# Altium PCB PV Refridgerator v0.1.1.PCBDOC (part 2 of 2)
Units mil, origin at the board's own origin, x right, y up, seen from the top; angles counter-clockwise.
Board outline 6000 x 6000 mil, 2 copper layers (Top Layer, Bottom Layer); 137 components, 98 nets, 385 pads, 641 vias.
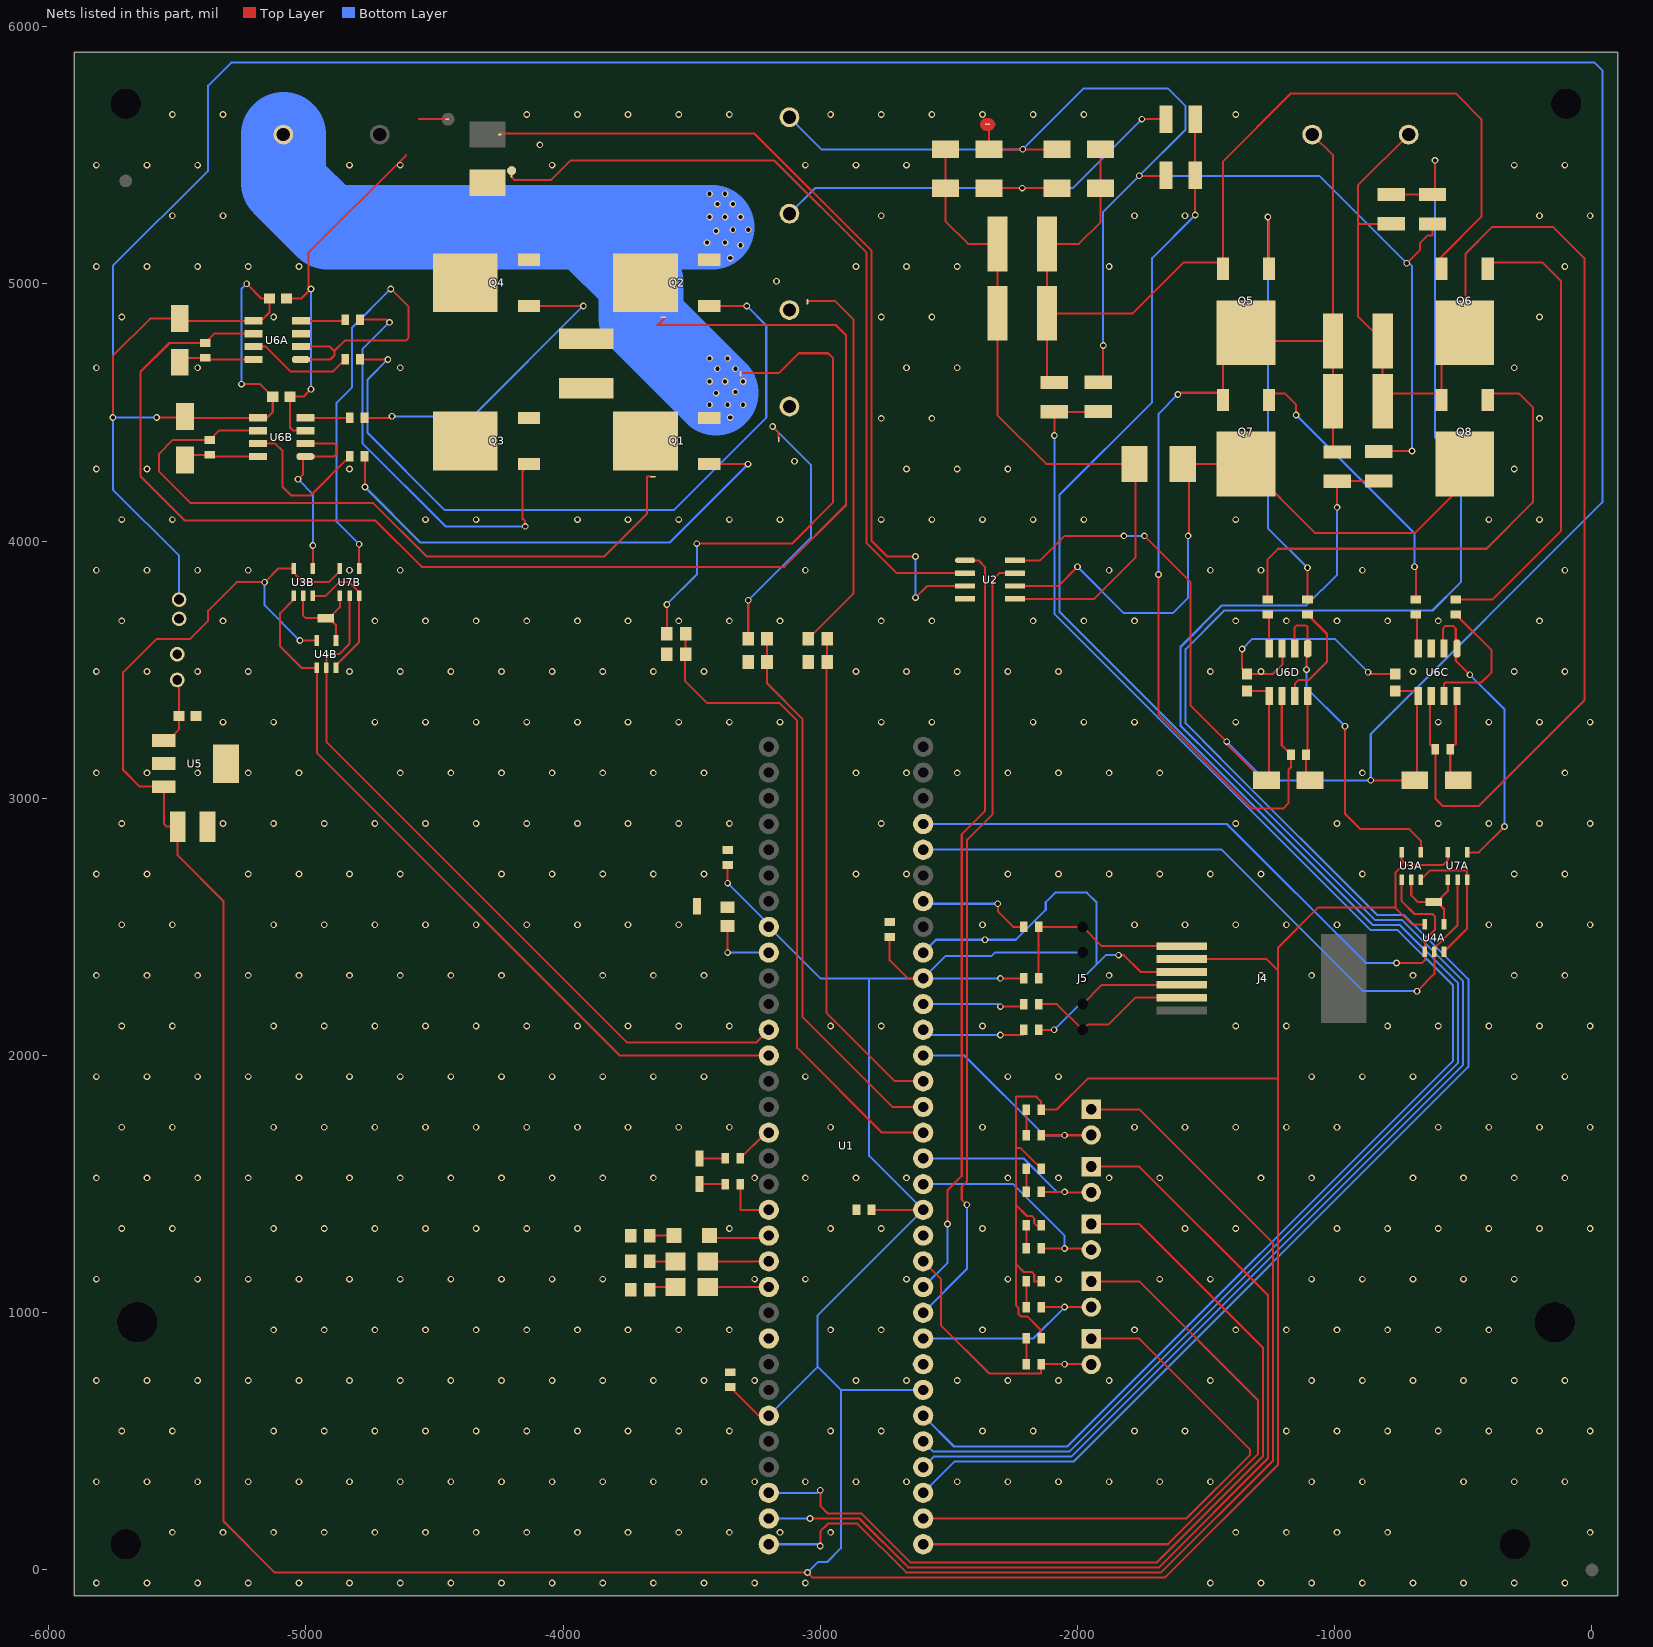
[diagram p2: the nets of this part, all layers, seen from the top]

## Via types
v1: diameter 26, hole 16, Top Layer to Bottom Layer, 641 vias

## Nets (pads, with @x,y where several pads share a name; then routed paths per layer and width w, separated by ;. In a path a pad name is that pad's centre, name@x,y a point inside that pad or via, vN(x,y) a via of type N, cw(c..) or ccw(c..) an arc to the next point about the centre after c; other vN are vias at no path point) (continued)
3.3VDC: C5.1 C6.1 C7.1 C8.1 C12.1 J4.5 J5.2 R4.1 R16A.2 R16B.2 R16C.2 R16D.2 R16E.2 U1.10 U1.19 U1.26 U1.38 U1.57 U3A.5 U3B.5 U4A.5 U4B.5 U5.3 U7A.5 U7B.5 | length 21350.3
  Top Layer w7.87: v1(-5023.15,3613.15) U4B.5@-4957.4,3613.15 ; U7B.5@-4867.4,3893.15 -4867.4,3882.6 -4910,3840 -5010,3840 -5047.4,3877.4 U3B.5@-5047.4,3893.15 -5106.85,3893.15 v1(-5160,3840) -5269.14,3840 -5379.36,3729.79 -5379.36,3690.64 -5450,3620 -5580,3620 -5710,3490 -5710,3110 -5645,3045 U5.3@-5552,3045 -5552,2902 -5540,2890 C12.1@-5498.07,2890 -5498.07,2778.07 -5320,2600 -5320,190 -5120,-10 v1(-3050,-10) -3030.94,-29.06 -1659.06,-29.06 -1220,410 -1220,1910 ; v1(-3360,2670) C8.1@-3360,2741 ; C6.1@-3350,711 -3239,600 U1.38@-3200,600 ; C5.1@-2801,1400 U1.19@-2600,1400 ; C7.1@-2730,2461 -2730,2370 -2660,2300 U1.10@-2600,2300 ; v1(-2300,2300) R4.1@-2208.97,2300 ; R16B.2@-2141.03,900 -2141.03,931.03 -2195.75,985.75 -2220.49,985.75 -2229.72,994.98 -2229.72,1019.72 -2240,1030 -2240,1190 ; R16A.2@-2141.03,1122 -2168.22,1122 -2168.22,1149.02 -2177.45,1158.25 -2208.25,1158.25 -2240,1190 ; R16C.2@-2141.03,1340 -2160,1340 -2168.22,1348.22 -2168.22,1367.02 -2177.45,1376.25 -2196.25,1376.25 -2240,1420 ; R16E.2@-2141.03,1560 -2221.03,1640 -2240,1640 ; J4.5@-1594.96,2375 -1265,2375 -1220,2330 ; U3A.5@-740,2790 -740,2760 ; U4A.5@-650,2510 -700,2510 -764.61,2574.61 ; U7A.5@-560,2790 -560,2760 -580,2740 -720,2740 -740,2760 ; -2240,1190 -2240,1420 ; -2240,1420 -2240,1640 ; -2240,1640 -2240,1840 -2160,1840 -2141.03,1821.03 R16D.2@-2141.03,1790 -2080,1790 -1960,1910 -1220,1910 ; -1220,1910 -1220,2330 ; -1220,2330 -1220,2420 -1065.39,2574.61 -764.61,2574.61 ; -764.61,2574.61 -764.61,2710.89 -740,2735.5 -740,2760
  Bottom Layer w7.87: v1(-5160,3840) -5160,3750 v1(-5023.15,3613.15) ; v1(-3360,2670) -3200,2510 U1.57@-3200,2500 -3000,2300 -2810,2300 ; U1.38@-3200,600 -3010,790 ; v1(-3050,-10) -3009.61,30.39 -2973.91,30.39 -2920,84.3 -2920,700 ; U1.26@-2600,700 -2920,700 ; v1(-2300,2300) U1.10@-2600,2300 ; J5.2@-1980,2400 -2320.92,2400 -2333.91,2387.01 -2512.99,2387.01 U1.10@-2600,2300 ; -3010,790 -3010,990 U1.19@-2600,1400 -2810,1610 -2810,2300 ; -3010,790 -2920,700 ; -2810,2300 U1.10@-2600,2300
15VDC: C13A.1 C13B.1 C13C.1 C13D.1 D8A.1 D8B.1 D8C.1 D8D.1 J12.1 U2.8 U6A.5 U6B.5 U6C.5 U6D.5 | length 16531.8
  Top Layer w7.87: v1(-5750,4480) -5750,4720 -5605.35,4864.65 D8A.1@-5490,4864.65 ; v1(-5580,4480) -5465.35,4480 -5464.35,4479 -5151,4479 -5128.46,4501.54 C13B.1@-5128.46,4561 -5177.46,4610 v1(-5250,4610) ; D8A.1@-5481.35,4856 -5174,4856 -5141.46,4888.54 C13A.1@-5141.46,4943 -5173,4943 v1(-5230,5000) ; U2.8@-2242.95,3925 -2145,3925 -2050,4020 v1(-1820,4020) ; v1(-1740,4020) -1560,3840 -1560,3360 v1(-1420,3220) -1420,3210 -1280,3070 D8D.1@-1265.65,3070 -1256,3079.65 -1256,3416.54 C13D.1@-1341,3416.54 ; v1(-860,3070) D8C.1@-689.29,3070 -679.65,3079.65 -679.65,3416.54 C13C.1@-764.65,3416.54
  Bottom Layer w7.87: v1(-5580,4480) v1(-5750,4480) ; J12.1@-5492.5,3772.5 -5492.5,3942.5 -5750,4200 v1(-5750,4480) ; v1(-5250,4610) -5250,4980 v1(-5230,5000) ; v1(-1820,4020) v1(-1740,4020) ; v1(-1420,3220) -1270,3070 v1(-860,3070) -860,3250 40,4150 40,5830 10,5860 -5290,5860 -5380,5770 -5380,5440 -5750,5070 v1(-5750,4480)
"+DC BUS": C9.2 C10.2 D1.2 D2.2 Q5.3 Q6.3 R14C.2 | length 4028.5
  Top Layer w7.87: R14C.2@-2090,4616.61 -2118.54,4616.61 C9.2@-2118.54,4885 ; D2.2@-1910.35,5523 D1.2@-1910.35,5372 -1910.35,5239.65 -1995,5155 C10.2@-2118.54,5155 C9.2@-2118.54,4885 ; Q6.3@-585,5083 -585,5105 -430,5260 -430,5640 -530,5740 -1170,5740 -1435,5475 -1435,5083 -1587,5083 -1785,4885 C9.2@-2118.54,4885
+VSOLAR: J3.1 NetTie7.2 Q1.3 Q2.3 | length 2766.3
  Bottom Layer w330: J3.1@-5087.4,5580 -5087.4,5392.4 -4915,5220 -3420,5220 ; -3900,5209.86 -3696.94,5006.81 -3696.94,4866.94 v1(-3405,4575)
  other v1: -3350,4480 -3430,4530 -3360,4530 -3300,4530 -3330,4580 -3430,4620 -3370,4620 -3300,4620 -3400,4670 -3330,4670 -3430,4710 -3360,4710 -3350,5100 -3310,5150 -3440,5160 -3370,5160 -3405,5205 -3340,5210 -3280,5210 -3430,5260 -3370,5260 -3310,5260 -3400,5310 -3340,5310 -3430,5350 -3370,5350
+VT1.P: C1.1 J7.2 NetTie1B.2 NetTie8.2 Q1.2 Q3.3
  other v1: -3100,4310
+VT1.S: D1.1 D3.2 J8.2 R14D.2 | length 1880.3
  Top Layer w7.87: D3.2@-2344.35,5372 v1(-2215,5372) D1.1@-2079.65,5372 ; v1(-1750,5640) R14D.2@-1656.61,5640
  Bottom Layer w7.87: J8.2@-3120,5272.6 -3020.6,5372 v1(-2215,5372) -2018,5372 v1(-1750,5640)
"-DC BUS": C9.1 C10.1 D3.1 D4.1 NetTie6.2 R3.1 | length 1802.2
  Top Layer w7.87: D4.1@-2513.65,5523 D3.1@-2513.65,5372 -2513.65,5243.65 -2425,5155 C10.1@-2311.46,5155 C9.1@-2311.46,4885 -2311.46,4489.48 -2121.98,4300 R3.1@-1775,4300 ; NetTie6.2@-1782,4300 R3.1@-1778.5,4300
-VT1.P: C1.2 J7.1 NetTie1A.2 NetTie9.2 Q2.2 Q4.3
  other v1: -3170,5010
A_HO: Q1.1 R12B.2 | length 1950.4
  Top Layer w7.87: R12B.2@-4771.57,4329 -4770,4327.43 v1(-4770,4210) ; Q1.1@-3407,4299 v1(-3281,4299)
  Bottom Layer w7.87: v1(-4770,4210) -4554.01,3994.01 -3585.99,3994.01 v1(-3281,4299)
A_LO: Q4.1 R13B.2 | length 1216.7
  Top Layer w7.87: R13B.2@-4771.57,4479 -4671,4479 v1(-4665,4485) ; Q4.1@-4107,4914 v1(-3921,4914)
  Bottom Layer w7.87: v1(-4665,4485) -4350,4485 v1(-3921,4914)
B_HO: Q2.1 R12A.2 | length 2837
  Top Layer w7.87: R12A.2@-4789.1,4706 v1(-4681,4706) ; Q2.1@-3407,4914 v1(-3286,4914)
  Bottom Layer w7.87: v1(-4681,4706) -4760.31,4626.69 -4760.31,4420.32 -4459.99,4119.99 -3570.01,4119.99 -3210,4480 -3210,4838 v1(-3286,4914)
B_LO: Q3.1 R13A.2 | length 1649.8
  Top Layer w7.87: R13A.2@-4789.1,4861 -4686,4861 v1(-4675,4850) ; v1(-4147,4057) -4147,4077 -4157.75,4087.75 -4157.75,4272.25 -4147,4283 Q3.1@-4147,4299
  Bottom Layer w7.87: v1(-4675,4850) -4780,4745 -4780,4380 -4457,4057 v1(-4147,4057)
C_HO: Q5.1 R12D.2 | length 1730.4
  Top Layer w7.87: v1(-1260,5260) -1255,5255 Q5.1@-1255,5083 ; R12D.2@-1106,3772.43 v1(-1106,3896)
  Bottom Layer w7.87: v1(-1260,5260) -1260,4050 v1(-1106,3896)
C_LO: Q8.1 R13D.2 | length 1846.1
  Top Layer w7.87: R13D.2@-1261,3772.43 -1261,3929 -1220,3970 -410,3970 -230,4150 -230,4520 -283,4573 Q8.1@-405,4573
C_VS: C2.1 C3.1 J6.1 NetTie1D.2 Q5.2 Q7.3 R14B.2 | length 1651.8
  Top Layer w7.87: Q7.3@-1435,4573 Q5.2@-1435,4720 ; Q5.2@-1260,4778 C3.1@-1006.46,4778 ; J6.1@-1087.4,5580 -1006.46,5499.06 C3.1@-1006.46,4778 ; R14B.2@-1006.46,4362.24 C2.1@-1006.46,4543 C3.1@-1006.46,4778
D_HO: Q6.1 R12C.2 | length 1805.7
  Top Layer w7.87: R12C.2@-529.65,3772.43 -387.57,3772.43 -120,4040 -120,5010 -193,5083 Q6.1@-405,5083
D_LO: Q7.1 R13C.2 | length 1073.1
  Top Layer w7.87: Q7.1@-1255,4573 -1193,4573 -1150,4530 v1(-1150,4490) ; v1(-690,3900) -684.65,3894.65 R13C.2@-684.65,3772.43
  Bottom Layer w7.87: v1(-1150,4490) -690,4030 v1(-690,3900)
D_VS: C2.2 C3.2 J6.2 NetTie1C.2 Q6.2 Q8.3 R14A.2 | length 1806.7
  Top Layer w7.87: R14A.2@-780,5233.39 -903.39,5233.39 -910,5240 ; J6.2@-712.6,5580 -910,5382.6 -910,5240 ; Q6.2@-495,4810 -585,4720 -585,4573 -783.54,4573 C2.2@-813.54,4543 C3.2@-813.54,4778 -910,4874.46 -910,5240
"DEBUG RX": R18.2 TP2.1 | length 101
  Top Layer w7.87: TP2.1@-3470,1500 R18.2@-3368.97,1500
"DEBUG TX": R19.2 TP3.1 | length 101
  Top Layer w7.87: TP3.1@-3470,1600 R19.2@-3368.97,1600
GND: C4.2 C5.2 C6.2 C7.2 C8.2 C11.2 C12.2 C13A.2 C13B.2 C13C.2 C13D.2 J4.4 J5.3 J9.1 J11.1 NetTie2.1 NetTie3.2@-2353.5,5620 R8.1 R9.1 R10.1 R20A.1 R20B.1 R20C.1 TP1.1 U1.9 U1.20 U1.25 U1.41 U2.4 U3A.3 U3B.3 U4A.3 U4B.3 U5.2 U6A.3 U6B.3 U6C.3 U6D.3 U7A.3 U7B.3 | length 5197.9
  Top Layer w7.87: C13A.2@-5074.54,4943 -5017,4943 -4990,4970 -4990,5120 -4610,5500 ; U6B.3@-5019,4429 -5049,4429 -5061.54,4441.54 C13B.2@-5061.54,4561 -5009,4561 v1(-4980,4590) ; U3B.3@-4972.6,3786.85 -4923.15,3786.85 -4870,3840 -4831.35,3840 -4792.6,3801.25 U7B.3@-4792.6,3786.85 -4792.6,3607.4 -4882.6,3517.4 U4B.3@-4882.6,3506.85 ; -4560,5640 NetTie2.1@-4450,5640 ; v1@-2362.99,2447.01 v1(-2360,2450) ; NetTie3.2@-2353.5,5620 -2320,5620 ; v1(-1840,2390) -1820,2390 -1755,2325 J4.4@-1594.96,2325 ; v1(-1360,3580) -1360,3502.46 C13D.2@-1341,3483.46 -1240,3483.46 -1203.74,3519.72 -1203.74,3580.87 U6D.3@-1205,3582.13 ; v1(-870,3490) -863.47,3483.47 C13C.2@-764.65,3483.47 ; U3A.3@-665.2,2683.7 -628.9,2720 -575.5,2720 -575.38,2720.12 -490.12,2720.12 -485.2,2715.2 U7A.3@-485.2,2683.7 -485.2,2493.7 U4A.3@-575.2,2403.7
  Bottom Layer w7.87: v1(-4980,4590) v1(-4980,4980) ; -2640,800 U1.25@-2600,800 ; U1.9@-2600,2400 -2550,2450 v1@-2362.99,2450 ; v1(-2360,2450) -2240,2450 -2123.51,2566.49 -2123.51,2596.61 -2086.61,2633.51 -1963.51,2633.51 -1926.75,2596.75 -1926.75,2353.25 ; J5.3@-1980,2300 -1926.75,2353.25 ; v1(-1840,2390) -1890,2390 -1926.75,2353.25 ; v1(-1360,3580) -1320,3620 -1000,3620 v1(-870,3490)
  other v1: -5814.09,-50.61 -5617.24,-50.61 -5420.39,-50.61 -5223.54,-50.61 -5026.69,-50.61 -4829.84,-50.61 -4632.99,-50.61 -4436.14,-50.61 -4239.29,-50.61 -4042.44,-50.61 -3845.59,-50.61 -3648.74,-50.61 -3451.89,-50.61 -3255.04,-50.61 -3058.19,-50.61 -1483.39,-50.61 -1286.54,-50.61 -1089.69,-50.61 -892.83,-50.61 -695.98,-50.61 -499.13,-50.61 -302.28,-50.61 -105.43,-50.61 -5518.82,146.24 -5321.97,146.24 -5125.12,146.24 -4928.27,146.24 -4731.42,146.24 -4534.57,146.24 -4337.72,146.24 -4140.87,146.24 -3944.02,146.24 -3747.17,146.24 -3550.32,146.24 -3353.46,146.24 -3156.61,146.24 -2959.76,146.24 -1384.96,146.24 -1188.11,146.24 -991.26,146.24 -794.41,146.24 -7.01,146.24 -5814.09,343.09 -5617.24,343.09 -5420.39,343.09 -5223.54,343.09 -5026.69,343.09 -4829.84,343.09 -4632.99,343.09 -4436.14,343.09 -4239.29,343.09 -4042.44,343.09 -3845.59,343.09 -3648.74,343.09 -3451.89,343.09 -3255.04,343.09 -3058.19,343.09 -2861.34,343.09 -2664.49,343.09 -2467.64,343.09 -2270.79,343.09 -2073.94,343.09 -1877.09,343.09 -1680.24,343.09 -1483.39,343.09 -1089.69,343.09 -892.83,343.09 -499.13,343.09 -302.28,343.09 -105.43,343.09 -5715.67,539.94 -5518.82,539.94 -5125.12,539.94 -4928.27,539.94 -4731.42,539.94 -4534.57,539.94 -4337.72,539.94 -4140.87,539.94 -3944.02,539.94 -3747.17,539.94 -3550.32,539.94 -3353.46,539.94 -2959.76,539.94 -2762.91,539.94 -2369.21,539.94 -2172.36,539.94 -1778.66,539.94 -1581.81,539.94 -1188.11,539.94 -991.26,539.94 -794.41,539.94 -597.56,539.94 -400.71,539.94 -203.86,539.94 -7.01,539.94 -5814.09,736.8 -5617.24,736.8 -5420.39,736.8 -5223.54,736.8 -5026.69,736.8 -4829.84,736.8 -4632.99,736.8 -4436.14,736.8 -4239.29,736.8 -4042.44,736.8 -3845.59,736.8 -3648.74,736.8 -3451.89,736.8 -3255.04,736.8 -2861.34,736.8 -2664.49,736.8 -2467.64,736.8 -2270.79,736.8 -2073.94,736.8 -1877.09,736.8 -1483.39,736.8 -1089.69,736.8 -892.83,736.8 -695.98,736.8 -499.13,736.8 -302.28,736.8 -105.43,736.8 -5125.12,933.65 -4928.27,933.65 -4731.42,933.65 -4534.57,933.65 -4337.72,933.65 -4140.87,933.65 -3944.02,933.65 -3747.17,933.65 -3550.32,933.65 -3353.46,933.65 -2959.76,933.65 -2762.91,933.65 -2369.21,933.65 -1778.66,933.65 -1384.96,933.65 -1188.11,933.65 -991.26,933.65 -794.41,933.65 -597.56,933.65 -400.71,933.65 -5814.09,1130.5 -5420.39,1130.5 -5223.54,1130.5 -5026.69,1130.5 -4829.84,1130.5 -4632.99,1130.5 -4436.14,1130.5 -4239.29,1130.5 -4042.44,1130.5 -3845.59,1130.5 -3255.04,1130.5 -3058.19,1130.5 -2664.49,1130.5 -2270.79,1130.5 -2073.94,1130.5 -1680.24,1130.5 -1483.39,1130.5 -1089.69,1130.5 -892.83,1130.5 -695.98,1130.5 -499.13,1130.5 -302.28,1130.5 -5715.67,1327.35 -5518.82,1327.35 -5125.12,1327.35 -4928.27,1327.35 -4731.42,1327.35 -4534.57,1327.35 -4337.72,1327.35 -4140.87,1327.35 -3944.02,1327.35 -3353.46,1327.35 -2959.76,1327.35 -2762.91,1327.35 -2369.21,1327.35 -1581.81,1327.35 -1384.96,1327.35 -991.26,1327.35 -794.41,1327.35 -597.56,1327.35 -400.71,1327.35 -203.86,1327.35 -7.01,1327.35 -5814.09,1524.2 -5617.24,1524.2 -5420.39,1524.2 -5223.54,1524.2 -5026.69,1524.2 -4829.84,1524.2 -4632.99,1524.2 -4436.14,1524.2 -4239.29,1524.2 -4042.44,1524.2 -3845.59,1524.2 -3648.74,1524.2 -3255.04,1524.2 -3058.19,1524.2 -2861.34,1524.2 -2664.49,1524.2 -2270.79,1524.2 -2073.94,1524.2 -1877.09,1524.2 -1680.24,1524.2 -1286.54,1524.2 -1089.69,1524.2 -695.98,1524.2 -499.13,1524.2 -302.28,1524.2 -105.43,1524.2 -5715.67,1721.05 -5518.82,1721.05 -5125.12,1721.05 -4928.27,1721.05 -4731.42,1721.05 -4534.57,1721.05 -4337.72,1721.05 -4140.87,1721.05 -3944.02,1721.05 -3747.17,1721.05 -3550.32,1721.05 -3353.46,1721.05 -2959.76,1721.05 -2369.21,1721.05 -1778.66,1721.05 -1581.81,1721.05 -1384.96,1721.05 -1188.11,1721.05 -991.26,1721.05 -597.56,1721.05 -400.71,1721.05 -203.86,1721.05 -7.01,1721.05 -5814.09,1917.9 -5617.24,1917.9 -5420.39,1917.9 -5223.54,1917.9 -5026.69,1917.9 -4829.84,1917.9 -4632.99,1917.9 -4436.14,1917.9 -4239.29,1917.9 -4042.44,1917.9 -3845.59,1917.9 -3648.74,1917.9 -3451.89,1917.9 -3058.19,1917.9 -2270.79,1917.9 -2073.94,1917.9 -1089.69,1917.9 -892.83,1917.9 -695.98,1917.9 -302.28,1917.9 -105.43,1917.9 -5715.67,2114.75 -5518.82,2114.75 -5125.12,2114.75 -4928.27,2114.75 -4731.42,2114.75 -4534.57,2114.75 -4337.72,2114.75 -4140.87,2114.75 -3944.02,2114.75 -3747.17,2114.75 -3550.32,2114.75 -3353.46,2114.75 -2959.76,2114.75 -2762.91,2114.75 -2369.21,2114.75 -1384.96,2114.75 -1188.11,2114.75 -794.41,2114.75 -597.56,2114.75 -400.71,2114.75 -203.86,2114.75 -7.01,2114.75 -5814.09,2311.6 -5617.24,2311.6 -5420.39,2311.6 -5223.54,2311.6 -5026.69,2311.6 -4829.84,2311.6 -4632.99,2311.6 -4436.14,2311.6 -4239.29,2311.6 -3845.59,2311.6 -3648.74,2311.6 -3451.89,2311.6 -1877.09,2311.6 -1286.54,2311.6 -1089.69,2311.6 -695.98,2311.6 -302.28,2311.6 -105.43,2311.6 -5715.67,2508.45 -5518.82,2508.45 -5125.12,2508.45 -4928.27,2508.45 -4731.42,2508.45 -4534.57,2508.45 -4337.72,2508.45 -4140.87,2508.45 -3944.02,2508.45 -3747.17,2508.45 -3550.32,2508.45 -2369.21,2508.45 -1778.66,2508.45 -1581.81,2508.45 -1384.96,2508.45 -1188.11,2508.45 -991.26,2508.45 -400.71,2508.45 -203.86,2508.45 -7.01,2508.45 -5814.09,2705.3 -5617.24,2705.3 -5223.54,2705.3 -5026.69,2705.3 -4829.84,2705.3 -4632.99,2705.3 -4239.29,2705.3 -4042.44,2705.3 -3845.59,2705.3 -3648.74,2705.3 -3451.89,2705.3 -2861.34,2705.3 -2664.49,2705.3 -2270.79,2705.3 -2073.94,2705.3 -1877.09,2705.3 -1680.24,2705.3 -1483.39,2705.3 -1286.54,2705.3 -892.83,2705.3 -302.28,2705.3 -105.43,2705.3 -5715.67,2902.15 -5321.97,2902.15 -5125.12,2902.15 -4928.27,2902.15 -4731.42,2902.15 -4534.57,2902.15 -4337.72,2902.15 -4140.87,2902.15 -3944.02,2902.15 -3747.17,2902.15 -3550.32,2902.15 -3353.46,2902.15 -2762.91,2902.15 -1384.96,2902.15 -991.26,2902.15 -597.56,2902.15 -400.71,2902.15 -203.86,2902.15 -7.01,2902.15 -5814.09,3099 -5617.24,3099 -5420.39,3099 -5223.54,3099 -5026.69,3099 -4632.99,3099 -4436.14,3099 -4239.29,3099 -4042.44,3099 -3845.59,3099 -3648.74,3099 -3451.89,3099 -2861.34,3099 -2664.49,3099 -2467.64,3099 -2270.79,3099 -2073.94,3099 -1877.09,3099 -1680.24,3099 -892.83,3099 -105.43,3099 -5321.97,3295.85 -5125.12,3295.85 -4731.42,3295.85 -4534.57,3295.85 -4337.72,3295.85 -4140.87,3295.85 -3944.02,3295.85 -3747.17,3295.85 -3550.32,3295.85 -3353.46,3295.85 -3156.61,3295.85 -2762.91,3295.85 -2566.06,3295.85 -2172.36,3295.85 -1975.51,3295.85 -1778.66,3295.85 -1384.96,3295.85 -597.56,3295.85 -400.71,3295.85 -203.86,3295.85 -7.01,3295.85 -5814.09,3492.7 -5617.24,3492.7 -5420.39,3492.7 -5223.54,3492.7 -4829.84,3492.7 -4632.99,3492.7 -4436.14,3492.7 -4239.29,3492.7 -4042.44,3492.7 -3845.59,3492.7 -3648.74,3492.7 -3451.89,3492.7 -2861.34,3492.7 -2664.49,3492.7 -2467.64,3492.7 -2270.79,3492.7 -2073.94,3492.7 -1483.39,3492.7 -1286.54,3492.7 -695.98,3492.7 -302.28,3492.7 -105.43,3492.7 -5715.67,3689.55 -5321.97,3689.55 -4731.42,3689.55 -4534.57,3689.55 -4337.72,3689.55 -4140.87,3689.55 -3944.02,3689.55 -3747.17,3689.55 -3550.32,3689.55 -3353.46,3689.55 -3156.61,3689.55 -2762.91,3689.55 -2566.06,3689.55 -2172.36,3689.55 -1975.51,3689.55 -1778.66,3689.55 -1384.96,3689.55 -1188.11,3689.55 -991.26,3689.55 -794.41,3689.55 -597.56,3689.55 -203.86,3689.55 -5814.09,3886.4 -5617.24,3886.4 -5420.39,3886.4 -5223.54,3886.4 -4829.84,3886.4 -4632.99,3886.4 -3058.19,3886.4 -1877.09,3886.4 -1483.39,3886.4 -1286.54,3886.4 -892.83,3886.4 -105.43,3886.4 -5715.67,4083.25 -5518.82,4083.25 -4534.57,4083.25 -4337.72,4083.25 -3944.02,4083.25 -3747.17,4083.25 -3550.32,4083.25 -3353.46,4083.25 -3156.61,4083.25 -2762.91,4083.25 -2566.06,4083.25 -2369.21,4083.25 -2172.36,4083.25 -1975.51,4083.25 -1384.96,4083.25 -400.71,4083.25 -203.86,4083.25 -5814.09,4280.1 -5617.24,4280.1 -4829.84,4280.1 -2664.49,4280.1 -2467.64,4280.1 -2270.79,4280.1 -302.28,4280.1 -2762.91,4476.95 -2566.06,4476.95 -203.86,4476.95 -5814.09,4673.8 -5420.39,4673.8 -4632.99,4673.8 -2664.49,4673.8 -2467.64,4673.8 -302.28,4673.8 -5715.67,4870.65 -5125.12,4870.65 -2762.91,4870.65 -2566.06,4870.65 -203.86,4870.65 -5814.09,5067.5 -5617.24,5067.5 -5420.39,5067.5 -5223.54,5067.5 -5026.69,5067.5 -2861.34,5067.5 -2664.49,5067.5 -2467.64,5067.5 -1877.09,5067.5 -105.43,5067.5 -5518.82,5264.35 -5321.97,5264.35 -2762.91,5264.35 -1778.66,5264.35 -1581.81,5264.35 -203.86,5264.35 -7.01,5264.35 -5814.09,5461.2 -5617.24,5461.2 -5420.39,5461.2 -4829.84,5461.2 -4632.99,5461.2 -4042.44,5461.2 -3058.19,5461.2 -2861.34,5461.2 -2664.49,5461.2 -302.28,5461.2 -105.43,5461.2 -4090,5540 -5518.82,5658.06 -5321.97,5658.06 -4140.87,5658.06 -3944.02,5658.06 -3747.17,5658.06 -3550.32,5658.06 -3353.46,5658.06 -2959.76,5658.06 -2762.91,5658.06 -2566.06,5658.06 -2369.21,5658.06 -2172.36,5658.06 -1975.51,5658.06 -1384.96,5658.06
HVGND: D2.1 D4.2 J8.1 NetTie3.1@-2346.5,5620 R15A.1 R15B.1 R15C.1 R15D.1 | length 5630.1
  Top Layer w7.87: -2343.56,5613.13 -2344.35,5613.13 D4.2@-2344.35,5523 v1(-2213,5523) D2.1@-2079.65,5523 ; R15C.1@-1900,4637.57 v1(-1900,4760) ; v1(-1760,5420) -1658.61,5420 R15D.1@-1656.61,5422 ; R15B.1@-829.17,4347.57 -826.74,4350 v1(-700,4350) ; v1(-720,5080) -669.15,5130.85 -669.15,5157.02 -638.02,5188.15 -620,5188.15 R15A.1@-620,5232.43
  Top Layer w50: NetTie3.1@-2353.5,5620 NetTie3.1@-2346.5,5620
  Bottom Layer w7.87: J8.1@-3120,5647.4 -2995.6,5523 v1(-2213,5523) -1976,5760 -1650,5760 -1580,5690 -1580,5600 v1(-1760,5420) ; v1(-1900,4760) -1900,5280 v1(-1760,5420) ; v1(-700,4350) -700,5070 -710,5080 v1(-720,5080) -1060,5420 v1(-1760,5420)
MCLR: R5.2 U1.7 | length 429
  Top Layer w7.87: v1(-2310,2590) -2310,2560 -2250,2500 R5.2@-2220,2500
  Bottom Layer w7.87: U1.7@-2600,2600 -2590,2590 v1@-2320,2590
"MCLR PIN": J4.6 J5.1 R4.2 R5.1 | length 787.1
  Top Layer w7.87: R4.2@-2151.03,2300 R5.1@-2151.03,2500 J5.1@-1980,2500 -1905,2425 J4.6@-1594.96,2425
NetC4_1: C4.1 U1.56 | length 263.5
  Top Layer w7.87: v1(-3360,2400) C4.1@-3360,2503.5
  Bottom Layer w7.87: v1(-3360,2400) U1.56@-3200,2400
NetC11_1: C11.1 J10.1 U5.1 | length 262.7
  Top Layer w7.87: U5.1@-5552,3225 -5535,3225 -5493.46,3266.54 C11.1@-5493.46,3320 J10.1@-5493.46,3453.46
NetC15A_1: C15A.1 D8A.2 U6A.8 | length 272.2
  Top Layer w7.87: D8A.2@-5473.35,4712 C15A.1@-5391.54,4712 -5385.54,4706 U6A.8@-5203.66,4706
NetC15A_2: C15A.2 NetTie1A.1 U6A.6 | length 5346.3
  Top Layer w7.87: U6A.6@-5203.66,4806 -5355.54,4806 C15A.2@-5391.54,4770 -5530,4770 -5642.99,4657.01 -5642.99,4252.99 -5470,4080 -4730,4080 -4550,3900 -3140,3900 -2900,4140 -2900,4800 -2940,4840 -3630.9,4840 ; -3634.72,4840 -3630.9,4840 ; NetTie1A.1@-3603.56,4870 -3603.56,4867.33 -3630.9,4840
NetC15B_1: C15B.1 D8B.2 U6B.8 | length 266.7
  Top Layer w7.87: D8B.2@-5450.35,4335 C15B.1@-5374,4335 -5368,4329 U6B.8@-5186.13,4329
NetC15B_2: C15B.2 NetTie1B.1 U6B.6 | length 2753.5
  Top Layer w7.87: U6B.6@-5186.13,4429 -5338,4429 C15B.2@-5374,4393 -5517,4393 -5570,4340 -5570,4270 -5447.01,4147.01 -4737.01,4147.01 -4530,3940 -3840,3940 -3673.5,4106.5 -3673.5,4250 NetTie1B.1@-3656.44,4250
NetC15C_1: C15C.1 D8C.2 U6C.8 | length 305.7
  Top Layer w7.87: D8C.2@-551,3101 C15C.1@-551,3190 -529.65,3211.35 U6C.8@-529.65,3397.87
NetC15C_2: C15C.2 NetTie1C.1 U6C.6 | length 3749.6
  Top Layer w7.87: U6C.6@-629.65,3397.87 -629.65,3210.65 C15C.2@-609,3190 -609,2999 -580,2970 -440,2970 -30,3380 -30,5100 -150,5220 -389.27,5220 -491.5,5117.77 NetTie1C.1@-491.5,4810
NetC15D_1: C15D.1 D8D.2 U6D.8 | length 314.7
  Top Layer w7.87: D8D.2@-1112,3085.65 C15D.1@-1112,3170 -1106,3176 U6D.8@-1106,3397.87
NetC15D_2: C15D.2 NetTie1D.1 U6D.6 | length 2550.2
  Top Layer w7.87: v1(-1685,3870) -1685,3325 -1320,2960 -1200,2960 -1180,2980 -1180,3110 -1170,3120 C15D.2@-1170,3170 -1206,3206 U6D.6@-1206,3397.87 ; v1(-1610,4570) -1603.5,4576.5 NetTie1D.1@-1440,4576.5
  Bottom Layer w7.87: v1(-1685,3870) -1685,4495 v1(-1610,4570)
NetD5_1: D5.1 U1.43 | length 237.5
  Top Layer w7.87: D5.1@-3437.5,1100 U1.43@-3200,1100
NetD5_2: D5.2 R8.2 | length 91
  Top Layer w7.87: R8.2@-3653.53,1100 D5.2@-3562.5,1100
NetD6_1: D6.1 U1.44 | length 237.5
  Top Layer w7.87: D6.1@-3437.5,1200 U1.44@-3200,1200
NetD6_2: D6.2 R9.2 | length 101
  Top Layer w7.87: R9.2@-3663.53,1200 D6.2@-3562.5,1200
NetD7_1: D7.1 U1.45 | length 239.4
  Top Layer w7.87: D7.1@-3431.1,1300 -3421.1,1290 -3210,1290 U1.45@-3200,1300
NetD7_2: D7.2 R10.2 | length 94.6
  Top Layer w7.87: R10.2@-3663.53,1300 D7.2@-3568.9,1300
NetNetTie3_1: NetTie3.1@-4200,5420 U2.2 | length 3127.9
  Top Layer w7.87: NetTie3.1@-4202.71,5417.21 -4189.75,5404.25 -4045.75,5404.25 -3970,5480 -3180,5480 -2820,5120 -2820,3992.16 -2702.84,3875 U2.2@-2437.05,3875
NetNetTie3_2: NetTie3.2@-4200,5440 Q3.2 Q4.2 R2.2
NetNetTie4_1: NetTie4.1 U2.3 | length 3331.1
  Top Layer w7.87: NetTie4.1@-4246.5,5580 -4242.88,5583.62 -4196.38,5583.62 -3255.78,5583.62 -2800.31,5128.15 -2800.31,4000.32 -2740,3940 v1(-2630,3940) ; v1(-2630,3780) -2585,3825 U2.3@-2437.05,3825
  Bottom Layer w7.87: v1(-2630,3780) v1(-2630,3940)
NetNetTie5_1: NetTie5.1 U2.6 | length 1331
  Top Layer w7.87: U2.6@-2242.95,3825 -2075,3825 v1(-2000,3900) ; v1(-1570,4020) -1566.31,4023.69 NetTie5.1@-1566.31,4306
  Bottom Layer w7.87: v1(-2000,3900) -1820,3720 -1630,3720 -1570,3780 v1(-1570,4020)
NetNetTie5_2: NetTie5.2 Q7.2 Q8.2 R3.2 | length 1363.7
  Top Layer w7.87: R3.2@-1591.5,4300 Q7.2@-1345,4300 -1075.43,4030.43 -689.57,4030.43 -495,4225 Q8.2@-495,4300
NetNetTie6_1: NetTie6.1 U2.5 | length 899.2
  Top Layer w7.87: U2.5@-2242.95,3775 -1935,3775 -1775,3935 NetTie6.1@-1775,4300
NetNetTie7_1: NetTie7.1 R11C.2 | length 1954.5
  Top Layer w7.87: R11C.2@-3596.47,3640 v1(-3596.47,3753.53) ; v1(-3480,3990) -3110,3990 -2950,4150 -2950,4710 -2970,4730 -3083.5,4730 -3160,4653.5 NetTie7.1@-3310,4653.5
  Bottom Layer w7.87: v1(-3596.47,3753.53) -3480,3870 v1(-3480,3990)
NetNetTie8_1: NetTie8.1 R11B.2 | length 1041.2
  Top Layer w7.87: R11B.2@-3280,3620 v1(-3280,3770) ; v1(-3185,4445) -3161.5,4421.5 NetTie8.1@-3161.5,4400.94
  Bottom Layer w7.87: v1(-3280,3770) -3036.5,4013.5 -3036.5,4296.5 v1(-3185,4445)
NetNetTie9_1: NetTie9.1 R11A.2 | length 1523.5
  Top Layer w7.87: NetTie9.1@-3050,4933.5 -2943.5,4933.5 -2870,4860 -2870,3796.47 R11A.2@-3046.47,3620
NetR11A_1: R11A.1 R20A.2 U1.14 | length 1931.8
  Top Layer w7.87: R20A.2@-2980,3520 -2976.54,3516.54 -2976.54,2166.54 -2710,1900 U1.14@-2600,1900 ; R20A.2@-2973.53,3530 R11A.1@-2973.53,3620
NetR11B_1: R11B.1 R20B.2 U1.15 | length 2141.7
  Top Layer w7.87: R11B.1@-3207.06,3620 R20B.2@-3207.06,3530 -3207.06,3447 -3070,3309.93 -3070,2150 -2720,1800 U1.15@-2600,1800
NetR11C_1: R11C.1 R20C.2 U1.16 | length 2584
  Top Layer w7.87: R11C.1@-3523.53,3640 R20C.2@-3523.53,3560 -3526.54,3557 -3526.54,3456.54 -3440,3370 -3157.91,3370 -3089.69,3301.78 -3089.69,2029.69 -2760,1700 U1.16@-2600,1700
NetR12A_1: R12A.1 U6A.7 | length 415.4
  Top Layer w7.87: U6A.7@-5203.66,4756 -5156,4756 -5060,4660 -4893.04,4660 R12A.1@-4847.04,4706
NetR12B_1: R12B.1 U6B.7 | length 585.3
  Top Layer w7.87: U6B.7@-5186.13,4379 -5119,4379 -5090,4350 -5090,4210 -5057.01,4177.01 -4981.5,4177.01 R12B.1@-4829.5,4329
NetR12C_1: R12C.1 U6C.7 | length 533.1
  Top Layer w7.87: U6C.7@-575,3397.87 -575,3445 -570,3450 -430,3450 -390,3490 -390,3574.85 R12C.1@-529.65,3714.5
NetR12D_1: R12D.1 U6D.7 | length 423.3
  Top Layer w7.87: U6D.7@-1155,3397.87 -1155,3445 -1140,3460 -1100,3460 -1030,3530 -1030,3638.5 R12D.1@-1106,3714.5
NetR13A_1: R13A.1 U6A.4 | length 174.4
  Top Layer w7.87: U6A.4@-5019.41,4856 -4852.04,4856 R13A.1@-4847.04,4861
NetR13B_1: R13B.1 U6B.4 | length 160.5
  Top Layer w7.87: U6B.4@-4990,4479 R13B.1@-4829.5,4479
NetR13C_1: R13C.1 U6C.4 | length 104.5
  Top Layer w7.87: U6C.4@-679.65,3605 R13C.1@-679.65,3709.5
NetR13D_1: R13D.1 U6D.4 | length 104.5
  Top Layer w7.87: U6D.4@-1256,3605 R13D.1@-1256,3709.5
NetR14A_1: R14A.1 R15A.2 U1.30 | length 8101.6
  Top Layer w7.87: R14A.1@-780,5347.57 R15A.2@-620.96,5347.57 ; R15A.2@-620,5346.61 -610,5356.61 v1(-610,5480)
  Bottom Layer w7.87: U1.30@-2600,300 -2479.05,420.95 -2015.54,420.95 -480.94,1955.54 -480.94,2296.64 -731.08,2546.77 -835.86,2546.77 -1435.62,3146.54 -1446.09,3157.01 -1580,3290.92 -1580,3580 -1430,3730 -620,3730 -510,3840 -510,4265 -599.61,4354.61 -599.61,4391.58 -610,4401.98 v1(-610,5480)
NetR14B_1: R14B.1 R15B.2 U1.29 | length 6137.4
  Top Layer w7.87: v1(-990.83,4130.83) R14B.1@-990.83,4232.43 ; R14B.1@-989.87,4233.39 R15B.2@-829.17,4233.39
  Bottom Layer w7.87: U1.29@-2600,400 -2559.37,440.63 -2023.69,440.63 -500.63,1963.69 -500.63,2288.49 -739.23,2527.09 -844.01,2527.09 -1455.31,3138.38 -1599.69,3282.76 -1599.69,3588.15 -1438.15,3749.69 -1110.31,3749.69 -990.83,3869.17 v1(-990.83,4130.83)
NetR14C_1: R14C.1 R15C.2 U1.27 | length 6125.9
  Top Layer w7.87: v1(-2090,4410) R14C.1@-2090,4502.43 R15C.2@-1920.96,4502.43
  Bottom Layer w7.87: U1.27@-2600,600 -2480,480 -2040,480 -540,1980 -540,2272.18 -755.54,2487.72 -860.32,2487.72 -2090,3717.4 v1(-2090,4410)
NetR14D_1: R14D.1 R15D.2 U1.28 | length 7312.2
  Top Layer w7.87: v1(-1542.43,5267.57) R15D.2@-1542.43,5422 R14D.1@-1542.43,5640
  Bottom Layer w7.87: U1.28@-2600,500 -2560.32,460.32 -2031.85,460.32 -520.31,1971.85 -520.31,2280.33 -747.39,2507.4 -852.16,2507.4 -2070,3725.24 -2070,4180 -1710,4540 -1710,5100 v1(-1542.43,5267.57)
NetR16A_1: R16A.1 R17A.2 | length 100
  Top Layer w7.87: R17A.2@-2198.97,1022 R16A.1@-2198.97,1122
NetR16B_1: R16B.1 R17B.2 | length 100
  Top Layer w7.87: R17B.2@-2198.97,800 R16B.1@-2198.97,900
NetR16C_1: R16C.1 R17C.2 | length 90
  Top Layer w7.87: R17C.2@-2198.97,1250 R16C.1@-2198.97,1340
NetR16D_1: R16D.1 R17D.2 | length 100
  Top Layer w7.87: R17D.2@-2198.97,1690 R16D.1@-2198.97,1790
NetR16E_1: R16E.1 R17E.2 | length 90
  Top Layer w7.87: R17E.2@-2198.97,1470 R16E.1@-2198.97,1560
NetR18_1: R18.1 U1.46 | length 210.4
  Top Layer w7.87: R18.1@-3311.03,1500 -3311.03,1401.03 -3310,1400 U1.46@-3200,1400
NetR19_1: R19.1 U1.49 | length 152.5
  Top Layer w7.87: R19.1@-3311.03,1600 -3211.03,1700 U1.49@-3200,1700
NetTP4A_1: TP4A.1 U3A.2 U4A.4 U7A.1 | length 374.5
  Top Layer w7.87: U3A.2@-702.6,2683.7 -702.6,2622.6 -676.85,2596.85 TP4A.1@-614.84,2596.85 TP4A.1@-602.6,2596.85 ; U4A.4@-575.2,2510 -575.2,2569.45 TP4A.1@-602.6,2596.85 ; U7A.1@-560,2683.7 -560,2639.45 TP4A.1@-602.6,2596.85
NetTP4B_1: TP4B.1 U3B.2 U4B.4 U7B.1 | length 383.7
  Top Layer w7.87: U3B.2@-5010,3786.85 -5010,3710 -5000,3700 TP4B.1@-4922.25,3700 TP4B.1@-4910,3700 ; U4B.4@-4882.6,3613.15 -4882.6,3672.6 TP4B.1@-4910,3700 ; U7B.1@-4867.4,3786.85 -4867.4,3742.6 TP4B.1@-4910,3700
NetU1_4: U1.4 U3A.1 U4A.1 | length 2592.9
  Top Layer w7.87: v1(-760,2360) -660,2360 -650,2370 U4A.1@-650,2403.7 -650,2450 -610,2490 -610,2540 -620,2550 -690,2550 -740,2600 U3A.1@-740,2683.7
  Bottom Layer w7.87: U1.4@-2600,2900 -1420,2900 -880,2360 v1@-770,2360
NetU1_5: U1.5 U4A.2 U7A.2 | length 2647.1
  Top Layer w7.87: v1(-680,2250) -612.6,2317.4 U4A.2@-612.6,2403.7 -612.6,2418.1 -590.58,2440.12 -589.88,2440.12 -522.6,2507.4 U7A.2@-522.6,2683.7
  Bottom Layer w7.87: U1.5@-2600,2800 -1440,2800 -890,2250 v1(-680,2250)
NetU1_22: U1.22 U2.1 | length 2986.8
  Top Layer w7.87: v1(-2505.16,1344.84) -2505.16,1477.26 -2450,1532.43 -2450,2860 -2360,2950 -2360,3900 -2385,3925 U2.1@-2437.05,3925
  Bottom Layer w7.87: U1.22@-2600,1100 -2505.16,1194.84 v1(-2505.16,1344.84)
NetU1_23: U1.23 U2.7 | length 3075.8
  Top Layer w7.87: v1(-2430,1420) -2450,1440 -2450,1490 -2428.79,1511.21 -2428.79,2838.79 -2330,2937.57 -2330,3850 -2305,3875 U2.7@-2242.95,3875
  Bottom Layer w7.87: U1.23@-2600,1000 -2430,1170 v1(-2430,1420)
NetU1_52: U1.52 U3B.1 U4B.1 | length 2970.2
  Top Layer w7.87: U3B.1@-5047.4,3786.85 -5047.4,3772.6 -5100,3720 -5100,3590 -5016.85,3506.85 U4B.1@-4957.4,3506.85 -4957.4,3177.4 -3780,2000 U1.52@-3200,2000
NetU1_53: U1.53 U4B.2 U7B.2 | length 2852.9
  Top Layer w7.87: U7B.2@-4830,3786.85 -4830,3600 -4870,3560 -4910,3560 -4920,3550 U4B.2@-4920,3506.85 -4920,3220 -3750,2050 -3250,2050 U1.53@-3200,2100
NetU3A_4: U3A.4 U6D.1 U6D.2 | length 1288.1
  Top Layer w7.87: U6D.2@-1156,3605 -1156,3664 -1147.92,3672.08 -1112.08,3672.08 -1106,3666 -1106,3605 -1110,3601 v1(-1110,3500) ; v1(-960,3280) -960,2940 -900,2880 -710,2880 -665.2,2835.2 U3A.4@-665.2,2790
  Bottom Layer w7.87: v1(-1110,3500) -1110,3430 v1(-960,3280)
NetU3B_4: U3B.4 U6B.1 U6B.2 | length 761.8
  Top Layer w7.87: v1(-5030,4240) -5010,4260 -5010,4318 -5021,4329 -4891,4329 -4880,4340 -4880,4370 -4889,4379 U6B.2@-4990,4379 ; U3B.4@-4972.6,3893.15 v1(-4972.6,3982.6)
  Bottom Layer w7.87: v1(-5030,4240) -4972.6,4182.6 v1(-4972.6,3982.6)
NetU6A_1: U6A.1 U6A.2 U7B.4 | length 2031.3
  Top Layer w7.87: U6A.1@-5019.41,4706 -4904,4706 -4888.69,4721.31 -4888.69,4738.69 ; U6A.2@-5019.41,4756 -4906,4756 -4888.69,4738.69 ; U7B.4@-4792.6,3893.15 v1(-4792.6,3987.4) ; v1(-4670,4980) -4600,4910 -4600,4790 -4610,4780 -4847.37,4780 -4888.69,4738.69
  Bottom Layer w7.87: v1(-4792.6,3987.4) -4880,4074.8 -4880,4538 -4820,4598 -4820,4830 v1(-4670,4980)
NetU6C_1: U6C.1 U6C.2 U7A.4 | length 1148.2
  Top Layer w7.87: U6C.2@-579.65,3605 -579.65,3659.83 -569.48,3670 -540,3670 -529.65,3659.65 -529.65,3605 -529.65,3535 v1(-474.65,3480) ; U7A.4@-485.2,2790 -440,2790 v1(-340,2890)
  Bottom Layer w7.87: v1(-474.65,3480) -340,3345.35 v1(-340,2890)
PGC: R7.2 U1.11 | length 404.1
  Top Layer w7.87: v1(-2300,2190) R7.2@-2200,2190
  Bottom Layer w7.87: U1.11@-2600,2200 -2310,2200 v1(-2300,2190)
"PGC PIN": J4.2 J5.5 R7.1 | length 649.3
  Top Layer w7.87: R7.1@-2151.03,2200 -2080,2200 J5.5@-1980,2100 -1960,2120 -1880,2120 -1775,2225 J4.2@-1594.96,2225
PGD: R6.2 U1.12 | length 398.3
  Top Layer w7.87: v1(-2300,2080) R6.2@-2210,2080
  Bottom Layer w7.87: U1.12@-2600,2100 -2580,2080 v1(-2300,2080)
"PGD PIN": J4.3 J5.4 R6.1 | length 617.5
  Top Layer w7.87: R6.1@-2151.03,2100 v1(-2091.03,2100) ; J5.4@-1980,2200 -1905,2275 J4.3@-1594.96,2275
  Bottom Layer w7.87: v1(-2091.03,2100) J5.4@-1991.03,2200
"SWITCHED GROUND 1": RT1E.1 U1.34 | length 3722.7
  Top Layer w7.87: v1(-3040,200) -3039.69,199.69 -2847.52,199.69 -2658.15,10.31 -1682.75,10.31 -1259.37,433.69 -1259.37,1067.37 -1760,1568 RT1E.1@-1946.5,1568
  Bottom Layer w7.87: U1.34@-3200,200 v1(-3040,200)
"SWITCHED GROUND 2": RT1D.1 U1.33 | length 4058.2
  Top Layer w7.87: v1(-3000,93.39) -3000,150 -2970,180 -2855.68,180 -2666.31,-9.37 -1674.59,-9.37 -1239.69,425.54 -1239.69,1270.69 -1760,1791 RT1D.1@-1946.5,1791
  Bottom Layer w7.87: U1.33@-3200,100 -3006.61,100 v1(-3000,93.39)
"SWITCHED GROUND 3": RT1C.1 U1.35 | length 3546
  Top Layer w7.87: v1(-3000,310) -3000,249.37 -2970,219.37 -2839.37,219.37 -2650,30 -1690.9,30 -1279.06,441.85 -1279.06,864.06 -1760,1345 RT1C.1@-1946.5,1345
  Bottom Layer w7.87: U1.35@-3200,310 U1.35@-3200,300 -3010,300 v1(-3000,310)
"SWITCHED GROUND 4": RT1B.1 U1.31 | length 2189.2
  Top Layer w7.87: U1.31@-2600,200 -1576.58,200 -1330,446.58 -1330,469 -1760,899 RT1B.1@-1946.5,899
"SWITCHED GROUND 5": RT1A.1 U1.32 | length 2495.8
  Top Layer w7.87: U1.32@-2600,100 -1648.74,100 -1298.74,450 -1298.74,660.74 -1760,1122 RT1A.1@-1946.5,1122
"VTEMP 1": R17E.1 RT1E.2 U1.17 | length 800.6
  Top Layer w7.87: R17E.1@-2141.03,1470 v1(-2050,1470) -2048,1468 RT1E.2@-1946.5,1468
  Bottom Layer w7.87: U1.17@-2600,1600 -2210,1600 -2080,1470 v1(-2050,1470) v1@-2049,1471
"VTEMP 2": R17D.1 RT1D.2 U1.13 | length 874.8
  Top Layer w7.87: R17D.1@-2141.03,1690 v1(-2050,1690) -1947.5,1690 RT1D.2@-1946.5,1691
  Bottom Layer w7.87: U1.13@-2600,2000 -2440,2000 -2130,1690 v1(-2050,1690) v1@-2049,1691
"VTEMP 3": R17C.1 RT1C.2 U1.18 | length 880.9
  Top Layer w7.87: R17C.1@-2141.03,1250 v1(-2050,1250) -1951.5,1250 RT1C.2@-1946.5,1245
  Bottom Layer w7.87: U1.18@-2600,1500 -2250,1500 -2050,1300 v1(-2050,1250) v1@-2049,1251
"VTEMP 4": R17B.1 RT1B.2 U1.21 | length 977.7
  Top Layer w7.87: U1.21@-2600,1200 -2530,1130 -2530,950 -2343.75,763.75 -2141.03,763.75 R17B.1@-2141.03,800 v1(-2050,800) -1947.5,800 RT1B.2@-1946.5,799
  Bottom Layer w7.87: v1(-2050,800) v1@-2049,801
"VTEMP 5": R17A.1 RT1A.2 U1.24 | length 796.5
  Top Layer w7.87: R17A.1@-2141.03,1022 v1(-2050,1022) RT1A.2@-1946.5,1022
  Bottom Layer w7.87: U1.24@-2600,900 -2172,900 v1(-2050,1022) v1@-2049,1023
pads on no net: FD1.0 FD2.0 J4.0 J4.1 MountingHole1. MountingHole2. MountingHole3. MountingHole4. MountingHole5. MountingHole6. U1.1 U1.2 U1.3 U1.6 U1.8 U1.36 U1.37 U1.39 U1.40 U1.42 U1.47 U1.48 U1.50 U1.51 U1.54 U1.55 U1.58 U1.59 U1.60 U1.61 U1.62 U1.63 U1.64
copper on no net: | length 848.5
  Top Layer w7.87: -5737.5,5162.5 -5662.5,5237.5 ; -5737.5,5237.5 -5662.5,5162.5 ; -37.5,162.5 37.5,237.5 ; -37.5,237.5 37.5,162.5
  Bottom Layer w7.87: -5737.5,5262.5 -5662.5,5337.5 ; -5737.5,5337.5 -5662.5,5262.5 ; -37.5,62.5 37.5,137.5 ; -37.5,137.5 37.5,62.5

## Polygon pours and split planes (outlines as drawn)
+VSOLAR on Top Layer "Top Layer-No Net 1" (solid, remove dead copper, pour order 24): -3460,4421.13 -3460,4755 -3250,4755 -3250,4420
+VSOLAR on Top Layer "Top Layer-No Net 1" (solid, remove dead copper, pour order 25): -3460,5051.13 -3460,5385 -3250,5385 -3250,5050
+VT1.P on Top Layer "Top Layer-No Net 1" (solid, remove dead copper, pour order 21): -4175,4675 -4175,4140 -3000,4140 -3000,4675
-VT1.P on Top Layer "Top Layer-No Net 1" (solid, pour order 22): -4175,5270 -4175,4700 -3367.23,4700 -3250,4770 -3000,4770 -3000,4800 -3000,4870 -3000,4940 -3000,5000 -3000,5040 -3250,5040 -3330,5270
NetNetTie3_2 on Top Layer "Top Layer-No Net 1" (solid, remove dead copper, pour order 19): -4561.4,5485 -4175,5485 -4175,4140 -4560,4140
GND on Top Layer "Top Layer-No Net 1" (solid, remove dead copper, pour order 27): -5900,-100 100,-100 100,5900 -5900,5900
-VT1.P on Bottom Layer "Top Layer-No Net 1" (solid, remove dead copper, pour order 23): -3290,5080 -3005.21,5080 -3000,5085.21 -3000,4770 -3290,4770
+VT1.P on Bottom Layer "Top Layer-No Net 1" (solid, remove dead copper, pour order 20): -3220,4140 -3000,4140 -3000,4675 -3220,4675
GND on Bottom Layer "Top Layer-No Net 1" (solid, pour order 26): -5900,-100.05 100,-100.05 100,5899.95 -5900,5899.95

## Keep-outs
Top Layer:
  lines w7.87: -680,75 -690,65 -710,65 -720,75 -720,115 -710,125 -690,125 -680,115 ; -588.19,73.07 -598.19,63.07 -618.19,63.07 -628.35,73.23 -628.35,112.91 -618.19,123.07 -598.19,123.07 -588.19,113.07
Keep-Out Layer:
  the board outline again, w30

## Other copper
Top Layer:
  text ".ProjectRevision" at -770,360 h60

## Silkscreen, mask and mechanical layers (free items; w line width, h text height)
Top Overlay:
  text "+ Secondary -" at -2710,5270 h30 r90
  text "+  Primary  -" at -2710,4520 h30 r90
  text ".projectRevision" at -820,1670 h30
  text ".projectTitle" at -820,1580 h30
Board Outline (M1):
  the board outline again, w1
Drill Drawing:
  text ".legend" at 1150,990 h30

## Text inside footprints (layer, text, board x,y; h text height)
J4: Top Overlay "6" at -1634,2478 h25 r270; Top Overlay "1" at -1635,2144 h25 r270